# Altium PCB DDR3_Example.PcbDoc (part 6 of 6)
Units mm, origin at the board's own origin, x right, y up, seen from the top; angles counter-clockwise.
Board outline 133.38 x 30.03 mm, 6 copper layers (TOP, SPLIT1_L2, IN1_L3, IN2_L4, SPLIT2_L5, BOTTOM), stack 1.246 mm thick; 131 components, 227 nets, 1523 pads, 910 vias.
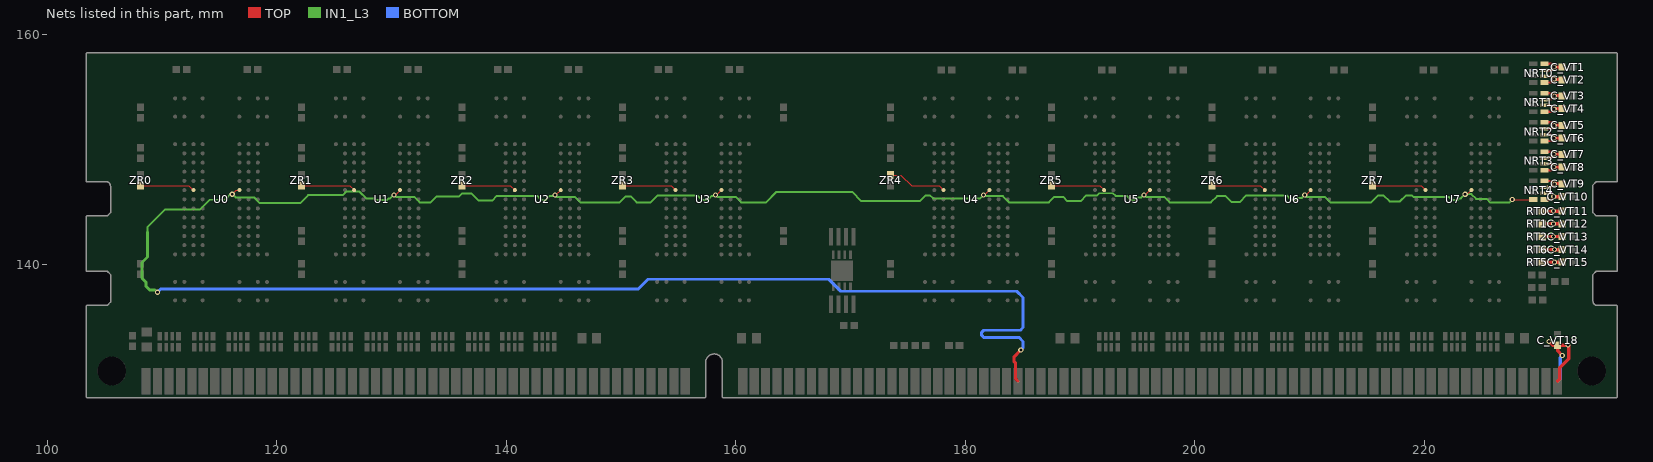
[diagram p10: the nets of this part, all layers, seen from the top]

## Via types
v1: diameter 0.45, hole 0.25, TOP to BOTTOM, 910 vias

## Nets (pads, with @x,y where several pads share a name; then routed paths per layer and width w, separated by ;. In a path a pad name is that pad's centre, name@x,y a point inside that pad or via, vN(x,y) a via of type N, cw(c..) or ccw(c..) an arc to the next point about the centre after c; other vN are vias at no path point) (continued)
VTT: C_VT1.1 C_VT2.1 C_VT3.1 C_VT4.1 C_VT5.1 C_VT6.1 C_VT7.1 C_VT8.1 C_VT9.1 C_VT10.1 C_VT11.1 C_VT12.1 C_VT13.1 C_VT14.1 C_VT15.1 C_VT18.1 NRT0.5 NRT0.6 NRT0.7 NRT0.8 NRT1.5 NRT1.6 NRT1.7 NRT1.8 NRT2.5 NRT2.6 NRT2.7 NRT2.8 NRT3.5 NRT3.6 NRT3.7 NRT3.8 NRT4.5 NRT4.6 NRT4.7 NRT4.8 RT0.2 RT1.2 RT2.2 RT5.2 RT6.2 | length 44.3
  TOP w0.2: NRT4.5@230.459,145.617 231.103,145.617 231.276,145.79 v1(231.276,145.89) 231.276,145.96 231.06,146.176 NRT4.6@230.459,146.176 ; NRT4.7@230.459,146.684 231.04,146.684 v1(231.341,146.985) 231.083,147.243 NRT4.8@230.459,147.243 ; NRT3.5@230.459,148.167 231.013,148.167 v1(231.301,148.455) 231.03,148.726 NRT3.6@230.459,148.726 ; NRT3.7@230.459,149.234 230.97,149.234 v1(231.301,149.565) 231.073,149.793 NRT3.8@230.459,149.793 ; NRT2.5@230.459,150.717 231.033,150.717 v1(231.281,150.965) 230.97,151.276 NRT2.6@230.459,151.276 ; NRT2.7@230.459,151.784 231.025,151.784 v1(231.316,152.075) 231.048,152.343 NRT2.8@230.459,152.343 ; NRT1.5@230.459,153.267 231.058,153.267 v1(231.311,153.52) 231.005,153.826 NRT1.6@230.459,153.826 ; NRT1.7@230.459,154.334 231.04,154.334 231.04,154.359 v1(231.326,154.645) 231.078,154.893 NRT1.8@230.459,154.893 ; NRT0.5@230.459,155.817 231.03,155.817 v1(231.316,156.103) 231.043,156.376 NRT0.6@230.459,156.376 ; NRT0.7@230.459,156.884 230.463,156.88 231.026,156.88 v1(231.316,157.17) 231.043,157.443 NRT0.8@230.459,157.443
  TOP w0.3: RT5.2@230.283,140.159 v1(231.326,140.159) C_VT15.1@232.032,140.159 ; RT6.2@230.283,141.259 v1(231.336,141.259) C_VT14.1@232.032,141.259 ; RT2.2@230.283,142.399 v1(231.266,142.399) C_VT13.1@232.032,142.399 ; RT1.2@230.283,143.509 v1(231.266,143.509) C_VT12.1@232.032,143.509 ; RT0.2@230.283,144.609 v1(231.246,144.609) C_VT11.1@232.032,144.609 ; v1(230.846,133.26) 231.183,132.923 C_VT18.1@231.606,132.923 ; v1(231.276,145.89) 231.286,145.88 C_VT10.1@232.032,145.88 ; v1(231.281,150.965) C_VT6.1@232.032,150.965 ; v1(231.301,148.455) 231.311,148.445 C_VT8.1@232.032,148.445 ; v1(231.301,149.565) 231.311,149.555 C_VT7.1@232.032,149.555 ; v1(231.311,153.52) 231.326,153.535 C_VT4.1@232.032,153.535 ; v1(231.316,152.075) C_VT5.1@232.032,152.075 ; v1(231.316,156.103) 231.984,156.103 C_VT2.1@232.032,156.055 ; v1(231.316,157.17) 231.321,157.165 C_VT1.1@232.032,157.165 ; v1(231.326,154.645) C_VT3.1@232.032,154.645 ; v1(231.341,146.985) 231.346,146.98 C_VT9.1@232.032,146.98 ; 231.601,129.784 231.796,129.979 231.796,130.97 232.581,131.755 232.581,132.881 v1(232.514,132.948) 232.489,132.923 C_VT18.1@231.606,132.923 ; v1(232.019,132.021) 231.606,132.434 C_VT18.1@231.606,132.923
  BOTTOM w0.3: 231.601,129.784 231.837,130.02 231.837,131.839 v1(232.019,132.021)
WE: NRT4.4 U0.H3 U1.H3 U2.H3 U3.H3 U4.H3 U5.H3 U6.H3 U7.H3 | length 235.1
  TOP w0.1: v1(116.122,146.086) 116.479,146.443 U0.H3@116.746,146.443 ; v1(130.226,146.002) 130.305,146.002 U1.H3@130.746,146.443 ; v1(144.236,146.017) 144.239,146.02 144.323,146.02 U2.H3@144.746,146.443 ; v1(158.236,146.03) 158.264,146.002 158.305,146.002 U3.H3@158.746,146.443 ; v1(181.576,146.002) 181.655,146.002 U4.H3@182.096,146.443 ; v1(195.566,146.017) 195.663,146.017 196.089,146.443 U5.H3@196.096,146.443 ; v1(209.576,146.02) 209.576,146.012 209.586,146.002 209.655,146.002 U6.H3@210.096,146.443 ; v1(223.556,146.086) 223.739,146.086 U7.H3@224.096,146.443 ; v1(227.656,145.628) 227.667,145.617 NRT4.4@229.493,145.617
  TOP w0.254: 184.601,129.784 184.386,129.999 184.386,131.358 184.256,131.488 184.256,131.92 v1(184.836,132.5)
  IN1_L3 w0.17: 108.726,142.77 108.726,143.21 110.259,144.743 113.287,144.743 114.144,145.6 115.454,145.6 115.94,146.086 v1(116.122,146.086) 116.408,145.8 118.016,145.8 118.506,145.31 122.046,145.31 122.742,146.006 125.753,146.006 126.067,146.32 127.206,146.32 127.806,145.72 128.506,145.72 128.646,145.58 129.6,145.58 129.72,145.7 129.865,145.7 130.105,145.94 130.164,145.94 v1(130.226,146.002) 130.368,145.86 131.976,145.86 132.456,145.38 133.416,145.38 133.916,145.88 135.876,145.88 136.156,146.16 136.966,146.16 137.596,145.53 138.764,145.53 139.174,145.94 142.704,145.94 143.064,145.58 143.428,145.58 143.788,145.94 144.164,145.94 144.236,146.012 v1(144.236,146.017) 144.393,145.86 145.976,145.86 146.456,145.38 149.876,145.38 150.396,145.9 150.846,145.9 151.366,145.38 152.585,145.38 153.194,145.989 156.655,145.989 157.064,145.58 157.541,145.58 157.891,145.93 158.136,145.93 v1(158.236,146.03) 158.406,145.86 159.976,145.86 160.456,145.38 162.636,145.38 163.546,146.29 170.146,146.29 170.946,145.49 176.045,145.49 176.544,145.989 176.908,145.989 177.185,145.712 180.282,145.712 180.414,145.58 180.84,145.58 180.977,145.717 181.291,145.717 v1(181.576,146.002) 181.668,145.91 183.276,145.91 183.806,145.38 187.276,145.38 187.756,145.86 188.516,145.86 188.886,145.49 190.045,145.49 190.544,145.989 191.475,145.989 191.656,146.17 192.866,146.17 193.093,145.943 194.051,145.943 194.414,145.58 194.778,145.58 194.998,145.8 195.349,145.8 v1(195.566,146.017) 195.723,145.86 197.326,145.86 197.806,145.38 201.396,145.38 201.943,145.927 202.689,145.927 203.216,145.4 203.906,145.4 204.495,145.989 208.005,145.989 208.414,145.58 208.778,145.58 208.958,145.76 209.324,145.76 v1@209.576,146.012 ; v1(209.576,146.02) v1@209.576,146.012 ; v1(227.656,145.628) 227.388,145.36 225.755,145.36 225.438,145.677 224.511,145.677 224.102,146.086 v1(223.556,146.086) 223.186,145.716 223.028,145.716 222.892,145.58 222.414,145.58 222.144,145.85 219.047,145.85 218.908,145.989 218.406,145.989 217.877,145.46 216.966,145.46 216.437,145.989 215.975,145.989 215.366,145.38 211.806,145.38 211.326,145.86 209.746,145.86 209.589,146.017 209.586,146.014 209.586,146.012 209.576,146.002 v1@209.576,146.012
  IN1_L3 w0.254: 108.726,142.77 108.726,140.61 108.256,140.14 108.256,138.767 108.624,138.399 108.624,138.052 108.926,137.75 109.396,137.75 v1(109.606,137.54)
  BOTTOM w0.254: v1(109.606,137.54) 109.876,137.81 151.486,137.81 152.35,138.674 168.092,138.674 169.138,137.628 184.488,137.628 185.036,137.08 185.036,134.47 184.796,134.23 181.606,134.23 181.425,134.049 181.425,133.791 181.631,133.585 184.711,133.585 185.036,133.26 185.036,132.7 v1(184.836,132.5)
ZQ_U0: U0.H8 ZR0.1 | length 4.8
  TOP w0.1: ZR0.1@108.145,146.844 108.145,146.869 108.173,146.841 112.347,146.841 U0.H8@112.745,146.443
ZQ_U1: U1.H8 ZR1.1 | length 4.8
  TOP w0.1: ZR1.1@122.145,146.843 122.147,146.841 126.365,146.841 126.745,146.461 U1.H8@126.745,146.443
ZQ_U2: U2.H8 ZR2.1 | length 4.8
  TOP w0.1: ZR2.1@136.145,146.843 136.147,146.841 140.365,146.841 140.745,146.461 U2.H8@140.745,146.443
ZQ_U3: U3.H8 ZR3.1 | length 4.8
  TOP w0.1: ZR3.1@150.145,146.843 150.147,146.841 154.365,146.841 154.745,146.461 U3.H8@154.745,146.443
ZQ_U4: U4.H8 ZR4.1 | length 5.1
  TOP w0.1: ZR4.1@173.495,147.757 174.389,147.757 175.336,146.81 177.728,146.81 U4.H8@178.095,146.443
ZQ_U5: U5.H8 ZR5.1 | length 4.8
  TOP w0.1: ZR5.1@187.495,146.843 187.497,146.841 191.715,146.841 192.095,146.461 U5.H8@192.095,146.443
ZQ_U6: U6.H8 ZR6.1 | length 4.8
  TOP w0.1: ZR6.1@201.495,146.843 201.497,146.841 205.715,146.841 206.095,146.461 U6.H8@206.095,146.443
ZQ_U7: U7.H8 ZR7.1 | length 4.8
  TOP w0.1: ZR7.1@215.495,146.843 215.497,146.841 219.715,146.841 220.095,146.461 U7.H8@220.095,146.443
pads on no net: "U0. " "U1. " "U2. " "U3. " "U4. " "U5. " "U6. " "U7. " Designator1.1 Designator1.2 Designator1.3 Designator1.4 Designator1.5 Designator1.6 Designator1.7 Designator1.8 Designator1.9 Designator1.10 Designator1.11 Designator1.12 Designator1.13 Designator1.14 Designator1.15 Designator1.16 Designator1.17 Designator1.18 Designator1.19 Designator1.20 Designator1.21 Designator1.22 Designator1.23 Designator1.24 Designator1.25 Designator1.26 Designator1.27 Designator1.28 Designator1.29 Designator1.30 Designator1.31 Designator1.32 Designator1.33 Designator1.34 Designator1.35 Designator1.36 Designator1.37 Designator1.38 Designator1.39 Designator1.40 Designator1.41 Designator1.42 Designator1.43 Designator1.44 Designator1.45 Designator1.46 Designator1.47 Designator1.48 Designator1.49 Designator1.50 Designator1.51 Designator1.52 Designator1.53 Designator1.54 Designator1.55 Designator1.56 Designator1.57 Designator1.58 Designator1.59 Designator1.60 Designator1.61 Designator1.62 Designator1.63 Designator1.64 Designator1.65 Designator1.66 Designator1.67 Designator1.68 Designator1.69 Designator1.70 Designator1.71 Designator1.72 Designator1.73 Designator1.74 Designator1.75 Designator1.76 Designator1.77 Designator1.78 Designator1.79 Designator1.80 Designator1.81 Designator1.82 Designator1.83 Designator1.84 Designator1.85 Designator1.86 Designator1.87 Designator1.88 Designator1.89 Designator1.90 Designator1.91 Designator1.92 Designator1.93 Designator1.94 Designator1.95 Designator1.96 Designator1.97 Designator1.98 Designator1.99 Designator1.100 Designator1.101 Designator1.102 Designator1.103 Designator1.104 Designator1.105 Designator1.106 Designator1.107 Designator1.108 Designator1.109 Designator1.110 Designator1.111 Designator1.112 Designator1.113 Designator1.114 Designator1.115 Designator1.116 Designator1.117 Designator1.118 Designator1.119 Designator1.120 Designator1.121 Designator1.122 Designator1.123 Designator1.124 Designator1.125 Designator1.126 Designator1.127 Designator1.128 Designator1.129 Designator1.130 Designator1.131 Designator1.132 Designator1.133 Designator1.134 Designator1.135 Designator1.136 Designator1.137 Designator1.138 Designator1.139 Designator1.140 Designator1.141 Designator1.142 Designator1.143 Designator1.144 Designator1.145 Designator1.146 Designator1.147 Designator1.148 Designator1.149 Designator1.150 Designator1.151 Designator1.152 Designator1.153 Designator1.154 Designator1.155 Designator1.156 Designator1.157 Designator1.158 Designator1.159 Designator1.160 Designator1.161 Designator1.162 Designator1.163 Designator1.164 Designator1.165 Designator1.166 Designator1.167 Designator1.168 Designator1.169 Designator1.170 Designator1.171 Designator1.172 Designator1.173 Designator1.174 Designator1.175 Designator1.176 Designator1.177 Designator1.178 Designator1.179 Designator1.180 Designator1.181 Designator1.182 Designator1.183 Designator1.184 Designator1.185 Designator1.186 Designator1.187 Designator1.188 Designator1.189 Designator1.190 Designator1.191 Designator1.192 Designator1.193 Designator1.194 Designator1.195 Designator1.196 Designator1.197 Designator1.198 Designator1.199 Designator1.200 Designator1.201 Designator1.202 Designator1.203 Designator1.204 Designator1.205 Designator1.206 Designator1.207 Designator1.208 Designator1.209 Designator1.210 Designator1.211 Designator1.212 Designator1.213 Designator1.214 Designator1.215 Designator1.216 Designator1.217 Designator1.218 Designator1.219 Designator1.220 Designator1.221 Designator1.222 Designator1.223 Designator1.224 Designator1.225 Designator1.226 Designator1.227 Designator1.228 Designator1.229 Designator1.230 Designator1.231 Designator1.232 Designator1.233 Designator1.234 Designator1.235 Designator1.236 Designator1.237 Designator1.238 Designator1.239 Designator1.240 R17.2 R17.7 R18.2 R18.7 R19.2 R19.7 R20.2 R20.7 R21.2 R21.7 R22.2 R22.7 R23.2 R23.7 R24.2 R24.7 U0.A3 U0.A7 U0.F1 U0.F9 U0.H1 U0.H9 U1.A3 U1.A7 U1.F1 U1.F9 U1.H1 U1.H9 U2.A3 U2.A7 U2.F1 U2.F9 U2.H1 U2.H9 U3.A3 U3.A7 U3.F1 U3.F9 U3.H1 U3.H9 U4.A3 U4.A7 U4.F1 U4.F9 U4.H1 U4.H9 U5.A3 U5.A7 U5.F1 U5.F9 U5.H1 U5.H9 U6.A3 U6.A7 U6.F1 U6.F9 U6.H1 U6.H9 U7.A3 U7.A7 U7.F1 U7.F9 U7.H1 U7.H9

## Polygon pours and split planes (outlines as drawn)
VTT on IN2_L4 "IN2_L4-VTT" (solid, pour order 2): 86 vertices, not listed, extent 230.116,132.52 236.276,157.88
VSS on IN2_L4 "IN2_L4-VSS" (solid, pour order 14): 726 vertices, not listed, extent 103.946,147.7 225.786,157.875
VTT on IN1_L3 "IN1_L3-VTT" (solid, pour order 4): 89 vertices, not listed, extent 230.116,132.52 236.276,157.88
VSS on IN1_L3 "IN1_L3-VSS" (solid, pour order 12): 688 vertices, not listed, extent 103.946,147.7 225.786,157.875
VSS on TOP "TOP-VSS" (solid, pour order 6): 496 vertices, not listed, extent 145.016,131.4 164.524,142.492
VSS on TOP "TOP-VSS 1" (solid, pour order 16): 4924 vertices, not listed, extent 186.908,136.484 216.512,153.478
VSS on TOP "TOP-VSS 2" (solid, pour order 18): 2561 vertices, not listed, extent 173.068,134.22 188.274,149.635
VSS on TOP "TOP-VSS 3" (solid, pour order 20): 4819 vertices, not listed, extent 135.288,136.352 161.524,153.528
VSS on TOP "TOP-VSS 4" (solid, pour order 22): 5246 vertices, not listed, extent 173.068,136.484 202.704,153.518
VSS on TOP "TOP-VSS 5" (solid, pour order 24): 5001 vertices, not listed, extent 200.538,136.484 228.353,153.468
VSS on TOP "TOP-VSS 6" (solid, pour order 26): 4632 vertices, not listed, extent 121.558,136.352 150.824,153.438
VSS on TOP "TOP-VSS 7" (solid, pour order 28): 4375 vertices, not listed, extent 109.507,136.352 136.734,153.488
VSS on TOP "TOP-VSS 8" (solid, pour order 30): 8855 vertices, not listed, extent 103.926,132.29 236.276,157.88
VSS on TOP "TOP-VSS 9" (solid, pour order 32): 2696 vertices, not listed, extent 149.238,135.135 172.264,155.448
VSS on SPLIT2_L5 "SPLIT2_L5-VSS" (solid, pour order 8): 1054 vertices, not listed, extent 190.303,128.884 225.969,132.163
VSS on SPLIT2_L5 "SPLIT2_L5-VSS 1" (solid, pour order 10): 1833 vertices, not listed, extent 108.133,128.884 144.899,132.113
VDD on SPLIT2_L5 "SPLIT2_L5-VDD" (solid, pour order 40): 513 vertices, not listed, extent 103.93,128.884 236.272,157.876
VSS on BOTTOM "BOTTOM-VSS" (solid, pour order 34): 2872 vertices, not listed, extent 103.926,131.29 236.276,157.88
VSS on SPLIT1_L2 "SPLIT1_L2-VSS" (solid, pour order 36): 4322 vertices, not listed, extent 103.93,128.884 231.161,143.985
VDD on SPLIT1_L2 "SPLIT1_L2-VDD" (solid, pour order 38): 1168 vertices, not listed, extent 103.93,128.884 236.272,157.876
no net on TITLE_DATA (solid): 61 vertices, not listed, extent 185.493,81.462 191.524,88.968
no net on TITLE_DATA (solid): 61 vertices, not listed, extent 192.486,78.458 198.517,85.963
no net on TITLE_DATA (solid): 62 vertices, not listed, extent 199.493,81.462 205.524,86.021
no net on TITLE_DATA (solid): 206.503,85.996 206.503,81.462 208.006,81.462 208.006,85.996 206.503,85.996
no net on TITLE_DATA (solid): 206.516,87.159 206.516,88.962 208.006,88.962 208.006,87.159 206.516,87.159
no net on TITLE_DATA (solid): 20 vertices, not listed, extent 209.003,81.461 215,85.965
no net on TITLE_DATA (solid): 214.251,85.974 215.009,85.974 209.746,81.475 209.008,81.475 214.251,85.974
no net on TITLE_DATA (solid): 61 vertices, not listed, extent 185.493,81.462 191.524,88.968
no net on TITLE_DATA (solid): 61 vertices, not listed, extent 192.486,78.458 198.517,85.963
no net on TITLE_DATA (solid): 62 vertices, not listed, extent 199.493,81.462 205.524,86.021
no net on TITLE_DATA (solid): 206.503,85.996 206.503,81.462 208.006,81.462 208.006,85.996 206.503,85.996
no net on TITLE_DATA (solid): 206.516,87.159 206.516,88.962 208.006,88.962 208.006,87.159 206.516,87.159
no net on TITLE_DATA (solid): 20 vertices, not listed, extent 209.003,81.461 215,85.965
no net on TITLE_DATA (solid): 214.251,85.974 215.009,85.974 209.746,81.475 209.008,81.475 214.251,85.974

## Keep-outs
TOP:
  lines w0.2: 102.726,144.02 110.886,144.02 111.066,144.2 114.026,144.2 114.196,144.03 118.486,144.03 118.676,144.22 127.876,144.22 128.106,143.99 138.786,143.99 139.016,144.22 141.866,144.22 142.096,143.99 148.696,143.99 148.956,144.25 155.826,144.25 156.076,144 164.746,144 164.946,143.8 164.946,133.88 164.466,133.4 162.096,133.4 161.326,132.63 161.326,130.84 161.556,130.61 185.736,130.61 186.026,130.9 186.026,132.3 185.686,132.64 176.616,132.64 176.166,133.09 176.166,143.6 176.796,144.23 179.016,144.23 179.206,144.04 180.456,144.04 180.486,144.01 189.516,144.01 189.746,144.24 193.116,144.24 193.396,143.96 204.506,143.96 204.806,144.26 207.206,144.26 207.476,143.99 218.336,143.99 218.566,144.22 221.216,144.22 221.376,144.06 225.246,144.06 225.516,144.33 226.566,144.33 227.066,143.83 227.066,140.08 227.926,139.22 227.926,137.87 ; 227.926,138.3 227.926,137.87 ; 229.966,127.38 229.966,137.14 229.686,137.42 228.376,137.42 227.926,137.87
SPLIT1_L2:
  lines w0.25: 102.416,136.26 109.456,136.26 109.666,136.47 109.666,142.95 110.706,143.99 113.496,143.99 113.986,143.5 115.116,143.5 115.686,144.07 127.486,144.07 128.026,143.53 129.416,143.53 129.966,144.08 141.436,144.08 142.026,143.49 143.196,143.49 143.736,144.03 155.416,144.03 155.996,143.45 156.846,143.45 157.136,143.74 158.266,143.74 158.526,144 164.126,144 164.426,143.7 164.426,142.66 164.166,142.4 162.926,142.4 162.596,142.07 162.596,137.13 162.616,137.11 162.586,137.06 161.036,135.44 161.036,130.25 161.446,129.84 186.236,129.84 186.606,130.21 186.606,134.18 186.386,134.4 181.966,134.4 177.886,138.48 173.616,138.48 173.256,138.84 173.256,143.76 173.606,144.11 178.786,144.11 179.366,143.53 181.106,143.53 181.576,144 192.736,144 193.206,143.53 195.016,143.53 195.456,143.97 206.826,143.97 207.306,143.49 208.956,143.49 209.436,143.97 220.826,143.97 221.326,143.47 222.846,143.47 223.416,144.04 226.716,144.04 227.766,142.99 227.766,139.89 227.906,139.75 227.906,138.28 228.776,137.41 229.686,137.41 230.386,136.71 230.386,132.96 231.286,132.06 231.286,127.23
SPLIT2_L5:
  lines w0.254: 108.006,127.33 108.006,131.64 108.606,132.24 144.706,132.24 ; 144.396,132.24 144.716,132.24 145.026,131.93 145.026,127.53 ; 190.176,127.75 190.176,131.75 190.716,132.29 225.806,132.29 226.096,132 226.096,127.71
Multi-Layer:
  circle w0.025: c105.626,130.68 r1.428
  circle w0.025: c234.576,130.68 r1.428
  circle w0.025: c105.626,130.68 r1.428
  circle w0.025: c234.576,130.68 r1.428

## Other copper
TOP:
  drawing of 89 lines, arcs and shapes, not listed
  text "JEDC 0.71 CKY" at 235.376,157.72 h0.79 r270
  text "94V-0" at 105.316,151.03 h0.79 r90
  text "1" at 107.346,129.42 h0.6
  text "120" at 233.066,128.92 h0.6 r90
SPLIT1_L2:
  drawing of 582 lines, arcs and shapes, not listed
IN1_L3:
  pour cut-out: 234.076,157.165 234.049,157.301 233.972,157.416 233.857,157.493 233.721,157.52 233.585,157.493 233.47,157.416 233.393,157.301 233.366,157.165 233.393,157.029 233.47,156.914 233.585,156.837 233.721,156.81 233.857,156.837 233.972,156.914 234.049,157.029 234.076,157.165
  pour cut-out: 234.126,156.055 234.099,156.191 234.022,156.306 233.907,156.383 233.771,156.41 233.635,156.383 233.52,156.306 233.443,156.191 233.416,156.055 233.443,155.919 233.52,155.804 233.635,155.727 233.771,155.7 233.907,155.727 234.022,155.804 234.099,155.919 234.126,156.055
  pour cut-out: 234.026,154.645 233.999,154.781 233.922,154.896 233.807,154.973 233.671,155 233.535,154.973 233.42,154.896 233.343,154.781 233.316,154.645 233.343,154.509 233.42,154.394 233.535,154.317 233.671,154.29 233.807,154.317 233.922,154.394 233.999,154.509 234.026,154.645
  pour cut-out: 234.026,153.535 233.999,153.671 233.922,153.786 233.807,153.863 233.671,153.89 233.535,153.863 233.42,153.786 233.343,153.671 233.316,153.535 233.343,153.399 233.42,153.284 233.535,153.207 233.671,153.18 233.807,153.207 233.922,153.284 233.999,153.399 234.026,153.535
  pour cut-out: 234.046,152.075 234.019,152.211 233.942,152.326 233.827,152.403 233.691,152.43 233.555,152.403 233.44,152.326 233.363,152.211 233.336,152.075 233.363,151.939 233.44,151.824 233.555,151.747 233.691,151.72 233.827,151.747 233.942,151.824 234.019,151.939 234.046,152.075
  pour cut-out: 234.066,150.965 234.039,151.101 233.962,151.216 233.847,151.293 233.711,151.32 233.575,151.293 233.46,151.216 233.383,151.101 233.356,150.965 233.383,150.829 233.46,150.714 233.575,150.637 233.711,150.61 233.847,150.637 233.962,150.714 234.039,150.829 234.066,150.965
  pour cut-out: 234.086,149.555 234.059,149.691 233.982,149.806 233.867,149.883 233.731,149.91 233.595,149.883 233.48,149.806 233.403,149.691 233.376,149.555 233.403,149.419 233.48,149.304 233.595,149.227 233.731,149.2 233.867,149.227 233.982,149.304 234.059,149.419 234.086,149.555
  pour cut-out: 234.081,148.445 234.054,148.581 233.977,148.696 233.862,148.773 233.726,148.8 233.59,148.773 233.475,148.696 233.398,148.581 233.371,148.445 233.398,148.309 233.475,148.194 233.59,148.117 233.726,148.09 233.862,148.117 233.977,148.194 234.054,148.309 234.081,148.445
  pour cut-out: 233.991,146.985 233.964,147.121 233.887,147.236 233.772,147.313 233.636,147.34 233.5,147.313 233.385,147.236 233.308,147.121 233.281,146.985 233.308,146.849 233.385,146.734 233.5,146.657 233.636,146.63 233.772,146.657 233.887,146.734 233.964,146.849 233.991,146.985
  pour cut-out: 234.026,145.875 233.999,146.011 233.922,146.126 233.807,146.203 233.671,146.23 233.535,146.203 233.42,146.126 233.343,146.011 233.316,145.875 233.343,145.739 233.42,145.624 233.535,145.547 233.671,145.52 233.807,145.547 233.922,145.624 233.999,145.739 234.026,145.875
  pour cut-out: 234.071,144.609 234.044,144.745 233.967,144.86 233.852,144.937 233.716,144.964 233.58,144.937 233.465,144.86 233.388,144.745 233.361,144.609 233.388,144.473 233.465,144.358 233.58,144.281 233.716,144.254 233.852,144.281 233.967,144.358 234.044,144.473 234.071,144.609
  pour cut-out: 234.051,143.509 234.024,143.645 233.947,143.76 233.832,143.837 233.696,143.864 233.56,143.837 233.445,143.76 233.368,143.645 233.341,143.509 233.368,143.373 233.445,143.258 233.56,143.181 233.696,143.154 233.832,143.181 233.947,143.258 234.024,143.373 234.051,143.509
  pour cut-out: 234.131,142.399 234.104,142.535 234.027,142.65 233.912,142.727 233.776,142.754 233.64,142.727 233.525,142.65 233.448,142.535 233.421,142.399 233.448,142.263 233.525,142.148 233.64,142.071 233.776,142.044 233.912,142.071 234.027,142.148 234.104,142.263 234.131,142.399
  pour cut-out: 234.141,141.259 234.114,141.395 234.037,141.51 233.922,141.587 233.786,141.614 233.65,141.587 233.535,141.51 233.458,141.395 233.431,141.259 233.458,141.123 233.535,141.008 233.65,140.931 233.786,140.904 233.922,140.931 234.037,141.008 234.114,141.123 234.141,141.259
  pour cut-out: 234.121,140.159 234.094,140.295 234.017,140.41 233.902,140.487 233.766,140.514 233.63,140.487 233.515,140.41 233.438,140.295 233.411,140.159 233.438,140.023 233.515,139.908 233.63,139.831 233.766,139.804 233.902,139.831 234.017,139.908 234.094,140.023 234.121,140.159
  pour cut-out: 233.431,138.459 233.404,138.595 233.327,138.71 233.212,138.787 233.076,138.814 232.94,138.787 232.825,138.71 232.748,138.595 232.721,138.459 232.748,138.323 232.825,138.208 232.94,138.131 233.076,138.104 233.212,138.131 233.327,138.208 233.404,138.323 233.431,138.459
  pour cut-out: 231.521,137.179 231.494,137.315 231.417,137.43 231.302,137.507 231.166,137.534 231.03,137.507 230.915,137.43 230.838,137.315 230.811,137.179 230.838,137.043 230.915,136.928 231.03,136.851 231.166,136.824 231.302,136.851 231.417,136.928 231.494,137.043 231.521,137.179
  pour cut-out: 232.901,133.812 232.874,133.948 232.797,134.063 232.682,134.14 232.546,134.167 232.41,134.14 232.295,134.063 232.218,133.948 232.191,133.812 232.218,133.676 232.295,133.561 232.41,133.484 232.546,133.457 232.682,133.484 232.797,133.561 232.874,133.676 232.901,133.812
  pour cut-out: 193.991,156.947 193.964,157.083 193.887,157.198 193.772,157.275 193.636,157.302 193.5,157.275 193.385,157.198 193.308,157.083 193.281,156.947 193.308,156.811 193.385,156.696 193.5,156.619 193.636,156.592 193.772,156.619 193.887,156.696 193.964,156.811 193.991,156.947
  pour cut-out: 186.201,156.947 186.174,157.083 186.097,157.198 185.982,157.275 185.846,157.302 185.71,157.275 185.595,157.198 185.518,157.083 185.491,156.947 185.518,156.811 185.595,156.696 185.71,156.619 185.846,156.592 185.982,156.619 186.097,156.696 186.174,156.811 186.201,156.947
  pour cut-out: 179.981,156.944 179.954,157.08 179.877,157.195 179.762,157.272 179.626,157.299 179.49,157.272 179.375,157.195 179.298,157.08 179.271,156.944 179.298,156.808 179.375,156.693 179.49,156.616 179.626,156.589 179.762,156.616 179.877,156.693 179.954,156.808 179.981,156.944
  pour cut-out: 221.981,156.92 221.954,157.056 221.877,157.171 221.762,157.248 221.626,157.275 221.49,157.248 221.375,157.171 221.298,157.056 221.271,156.92 221.298,156.784 221.375,156.669 221.49,156.592 221.626,156.565 221.762,156.592 221.877,156.669 221.954,156.784 221.981,156.92
  pour cut-out: 214.131,156.91 214.104,157.046 214.027,157.161 213.912,157.238 213.776,157.265 213.64,157.238 213.525,157.161 213.448,157.046 213.421,156.91 213.448,156.774 213.525,156.659 213.64,156.582 213.776,156.555 213.912,156.582 214.027,156.659 214.104,156.774 214.131,156.91
  pour cut-out: 207.971,156.91 207.944,157.046 207.867,157.161 207.752,157.238 207.616,157.265 207.48,157.238 207.365,157.161 207.288,157.046 207.261,156.91 207.288,156.774 207.365,156.659 207.48,156.582 207.616,156.555 207.752,156.582 207.867,156.659 207.944,156.774 207.971,156.91
  pour cut-out: 200.131,156.91 200.104,157.046 200.027,157.161 199.912,157.238 199.776,157.265 199.64,157.238 199.525,157.161 199.448,157.046 199.421,156.91 199.448,156.774 199.525,156.659 199.64,156.582 199.776,156.555 199.912,156.582 200.027,156.659 200.104,156.774 200.131,156.91
IN2_L4:
  pour cut-out: 234.076,157.165 234.049,157.301 233.972,157.416 233.857,157.493 233.721,157.52 233.585,157.493 233.47,157.416 233.393,157.301 233.366,157.165 233.393,157.029 233.47,156.914 233.585,156.837 233.721,156.81 233.857,156.837 233.972,156.914 234.049,157.029 234.076,157.165
  pour cut-out: 234.126,156.055 234.099,156.191 234.022,156.306 233.907,156.383 233.771,156.41 233.635,156.383 233.52,156.306 233.443,156.191 233.416,156.055 233.443,155.919 233.52,155.804 233.635,155.727 233.771,155.7 233.907,155.727 234.022,155.804 234.099,155.919 234.126,156.055
  pour cut-out: 234.026,154.645 233.999,154.781 233.922,154.896 233.807,154.973 233.671,155 233.535,154.973 233.42,154.896 233.343,154.781 233.316,154.645 233.343,154.509 233.42,154.394 233.535,154.317 233.671,154.29 233.807,154.317 233.922,154.394 233.999,154.509 234.026,154.645
  pour cut-out: 234.026,153.535 233.999,153.671 233.922,153.786 233.807,153.863 233.671,153.89 233.535,153.863 233.42,153.786 233.343,153.671 233.316,153.535 233.343,153.399 233.42,153.284 233.535,153.207 233.671,153.18 233.807,153.207 233.922,153.284 233.999,153.399 234.026,153.535
  pour cut-out: 234.046,152.075 234.019,152.211 233.942,152.326 233.827,152.403 233.691,152.43 233.555,152.403 233.44,152.326 233.363,152.211 233.336,152.075 233.363,151.939 233.44,151.824 233.555,151.747 233.691,151.72 233.827,151.747 233.942,151.824 234.019,151.939 234.046,152.075
  pour cut-out: 234.066,150.965 234.039,151.101 233.962,151.216 233.847,151.293 233.711,151.32 233.575,151.293 233.46,151.216 233.383,151.101 233.356,150.965 233.383,150.829 233.46,150.714 233.575,150.637 233.711,150.61 233.847,150.637 233.962,150.714 234.039,150.829 234.066,150.965
  pour cut-out: 234.086,149.555 234.059,149.691 233.982,149.806 233.867,149.883 233.731,149.91 233.595,149.883 233.48,149.806 233.403,149.691 233.376,149.555 233.403,149.419 233.48,149.304 233.595,149.227 233.731,149.2 233.867,149.227 233.982,149.304 234.059,149.419 234.086,149.555
  pour cut-out: 234.081,148.445 234.054,148.581 233.977,148.696 233.862,148.773 233.726,148.8 233.59,148.773 233.475,148.696 233.398,148.581 233.371,148.445 233.398,148.309 233.475,148.194 233.59,148.117 233.726,148.09 233.862,148.117 233.977,148.194 234.054,148.309 234.081,148.445
  pour cut-out: 233.991,146.985 233.964,147.121 233.887,147.236 233.772,147.313 233.636,147.34 233.5,147.313 233.385,147.236 233.308,147.121 233.281,146.985 233.308,146.849 233.385,146.734 233.5,146.657 233.636,146.63 233.772,146.657 233.887,146.734 233.964,146.849 233.991,146.985
  pour cut-out: 234.026,145.875 233.999,146.011 233.922,146.126 233.807,146.203 233.671,146.23 233.535,146.203 233.42,146.126 233.343,146.011 233.316,145.875 233.343,145.739 233.42,145.624 233.535,145.547 233.671,145.52 233.807,145.547 233.922,145.624 233.999,145.739 234.026,145.875
  pour cut-out: 234.071,144.609 234.044,144.745 233.967,144.86 233.852,144.937 233.716,144.964 233.58,144.937 233.465,144.86 233.388,144.745 233.361,144.609 233.388,144.473 233.465,144.358 233.58,144.281 233.716,144.254 233.852,144.281 233.967,144.358 234.044,144.473 234.071,144.609
  pour cut-out: 234.051,143.509 234.024,143.645 233.947,143.76 233.832,143.837 233.696,143.864 233.56,143.837 233.445,143.76 233.368,143.645 233.341,143.509 233.368,143.373 233.445,143.258 233.56,143.181 233.696,143.154 233.832,143.181 233.947,143.258 234.024,143.373 234.051,143.509
  pour cut-out: 234.131,142.399 234.104,142.535 234.027,142.65 233.912,142.727 233.776,142.754 233.64,142.727 233.525,142.65 233.448,142.535 233.421,142.399 233.448,142.263 233.525,142.148 233.64,142.071 233.776,142.044 233.912,142.071 234.027,142.148 234.104,142.263 234.131,142.399
  pour cut-out: 234.141,141.259 234.114,141.395 234.037,141.51 233.922,141.587 233.786,141.614 233.65,141.587 233.535,141.51 233.458,141.395 233.431,141.259 233.458,141.123 233.535,141.008 233.65,140.931 233.786,140.904 233.922,140.931 234.037,141.008 234.114,141.123 234.141,141.259
  pour cut-out: 234.121,140.159 234.094,140.295 234.017,140.41 233.902,140.487 233.766,140.514 233.63,140.487 233.515,140.41 233.438,140.295 233.411,140.159 233.438,140.023 233.515,139.908 233.63,139.831 233.766,139.804 233.902,139.831 234.017,139.908 234.094,140.023 234.121,140.159
  pour cut-out: 233.431,138.459 233.404,138.595 233.327,138.71 233.212,138.787 233.076,138.814 232.94,138.787 232.825,138.71 232.748,138.595 232.721,138.459 232.748,138.323 232.825,138.208 232.94,138.131 233.076,138.104 233.212,138.131 233.327,138.208 233.404,138.323 233.431,138.459
  pour cut-out: 231.521,137.179 231.494,137.315 231.417,137.43 231.302,137.507 231.166,137.534 231.03,137.507 230.915,137.43 230.838,137.315 230.811,137.179 230.838,137.043 230.915,136.928 231.03,136.851 231.166,136.824 231.302,136.851 231.417,136.928 231.494,137.043 231.521,137.179
  pour cut-out: 232.901,133.812 232.874,133.948 232.797,134.063 232.682,134.14 232.546,134.167 232.41,134.14 232.295,134.063 232.218,133.948 232.191,133.812 232.218,133.676 232.295,133.561 232.41,133.484 232.546,133.457 232.682,133.484 232.797,133.561 232.874,133.676 232.901,133.812
  pour cut-out: 193.991,156.947 193.964,157.083 193.887,157.198 193.772,157.275 193.636,157.302 193.5,157.275 193.385,157.198 193.308,157.083 193.281,156.947 193.308,156.811 193.385,156.696 193.5,156.619 193.636,156.592 193.772,156.619 193.887,156.696 193.964,156.811 193.991,156.947
  pour cut-out: 186.201,156.947 186.174,157.083 186.097,157.198 185.982,157.275 185.846,157.302 185.71,157.275 185.595,157.198 185.518,157.083 185.491,156.947 185.518,156.811 185.595,156.696 185.71,156.619 185.846,156.592 185.982,156.619 186.097,156.696 186.174,156.811 186.201,156.947
  pour cut-out: 179.981,156.944 179.954,157.08 179.877,157.195 179.762,157.272 179.626,157.299 179.49,157.272 179.375,157.195 179.298,157.08 179.271,156.944 179.298,156.808 179.375,156.693 179.49,156.616 179.626,156.589 179.762,156.616 179.877,156.693 179.954,156.808 179.981,156.944
  pour cut-out: 221.981,156.92 221.954,157.056 221.877,157.171 221.762,157.248 221.626,157.275 221.49,157.248 221.375,157.171 221.298,157.056 221.271,156.92 221.298,156.784 221.375,156.669 221.49,156.592 221.626,156.565 221.762,156.592 221.877,156.669 221.954,156.784 221.981,156.92
  pour cut-out: 214.131,156.91 214.104,157.046 214.027,157.161 213.912,157.238 213.776,157.265 213.64,157.238 213.525,157.161 213.448,157.046 213.421,156.91 213.448,156.774 213.525,156.659 213.64,156.582 213.776,156.555 213.912,156.582 214.027,156.659 214.104,156.774 214.131,156.91
  pour cut-out: 207.971,156.91 207.944,157.046 207.867,157.161 207.752,157.238 207.616,157.265 207.48,157.238 207.365,157.161 207.288,157.046 207.261,156.91 207.288,156.774 207.365,156.659 207.48,156.582 207.616,156.555 207.752,156.582 207.867,156.659 207.944,156.774 207.971,156.91
  pour cut-out: 200.131,156.91 200.104,157.046 200.027,157.161 199.912,157.238 199.776,157.265 199.64,157.238 199.525,157.161 199.448,157.046 199.421,156.91 199.448,156.774 199.525,156.659 199.64,156.582 199.776,156.555 199.912,156.582 200.027,156.659 200.104,156.774 200.131,156.91
SPLIT2_L5:
  drawing of 616 lines, arcs and shapes, not listed
BOTTOM:
  drawing of 510 lines, arcs and shapes, not listed
  text "121" at 107.806,130.42 h0.6 r90
  text "240" at 232.516,128.96 h0.6 r270
Multi-Layer:
  region: 108.101,128.35 232.101,128.35 232.101,131.25 108.101,131.25
  region: 108.101,128.35 232.101,128.35 232.101,131.25 108.101,131.25

## Silkscreen, mask and mechanical layers (free items; w line width, h text height)
Top Overlay:
  text "T*" at 106.569,132.163 h0.64
  text "T*" at 106.569,132.163 h0.64
Top Solder:
  region: 107.966,128.226 232.251,128.226 232.251,131.147 107.966,131.147
  lines w1.622: 102.996,127.95 174.101,127.95 ; 102.996,127.95 102.996,136.81 ; 102.996,127.95 174.101,127.95 ; 102.996,127.95 102.996,136.81 ; 102.996,136.81 104.426,136.81 ; 102.996,136.81 104.426,136.81 ; 102.996,139.95 104.426,139.95 ; 102.996,139.95 102.996,144.61 ; 102.996,139.95 104.426,139.95 ; 102.996,139.95 102.996,144.61 ; 102.996,144.61 104.426,144.61 ; 102.996,144.61 104.426,144.61 ; 102.996,147.75 104.426,147.75 ; 102.996,147.75 102.986,158.86 102.996,147.75 ; 102.996,147.75 104.426,147.75 ; 104.426,136.81 ccw(c104.426,138.38) 104.426,139.95 ; 104.426,136.81 ccw(c104.426,138.38) 104.426,139.95 ; 104.426,144.61 ccw(c104.426,146.18) 104.426,147.75 ; 104.426,144.61 ccw(c104.426,146.18) 104.426,147.75 ; 174.101,127.95 237.206,127.95 ; 174.101,127.95 237.206,127.95 ; 235.776,136.81 cw(c235.776,138.38) 235.776,139.95 ; 235.776,136.81 cw(c235.776,138.38) 235.776,139.95 ; 235.776,136.81 237.206,136.81 ; 235.776,136.81 237.206,136.81 ; 235.776,139.95 237.206,139.95 ; 235.776,139.95 237.206,139.95 ; 235.776,144.61 cw(c235.776,146.18) 235.776,147.75 ; 235.776,144.61 cw(c235.776,146.18) 235.776,147.75 ; 235.776,144.61 237.206,144.61 ; 235.776,144.61 237.206,144.61 ; 235.776,147.75 237.206,147.75 ; 235.776,147.75 237.206,147.75 ; 237.206,127.95 237.206,136.81 ; 237.206,127.95 237.206,136.81 ; 237.206,139.95 237.206,144.61 ; 237.206,139.95 237.206,144.61 ; 237.206,147.75 237.206,158.86 ; 237.206,147.75 237.206,158.86 ; 237.206,158.86 102.906,158.86 237.206,158.86
  lines w2.262: 174.101,128.27 174.101,131.43 174.101,128.27
Bottom Solder:
  region: 107.966,128.226 232.251,128.226 232.251,131.147 107.966,131.147
  lines w1.622: 102.996,127.95 174.101,127.95 ; 102.996,127.95 102.996,136.81 ; 102.996,127.95 174.101,127.95 ; 102.996,127.95 102.996,136.81 ; 102.996,136.81 104.426,136.81 ; 102.996,136.81 104.426,136.81 ; 102.996,139.95 104.426,139.95 ; 102.996,139.95 102.996,144.61 ; 102.996,139.95 104.426,139.95 ; 102.996,139.95 102.996,144.61 ; 102.996,144.61 104.426,144.61 ; 102.996,144.61 104.426,144.61 ; 102.996,147.75 104.426,147.75 ; 102.996,147.75 102.986,158.86 102.996,147.75 ; 102.996,147.75 104.426,147.75 ; 104.426,136.81 ccw(c104.426,138.38) 104.426,139.95 ; 104.426,136.81 ccw(c104.426,138.38) 104.426,139.95 ; 104.426,144.61 ccw(c104.426,146.18) 104.426,147.75 ; 104.426,144.61 ccw(c104.426,146.18) 104.426,147.75 ; 174.101,127.95 237.206,127.95 ; 174.101,127.95 237.206,127.95 ; 235.776,136.81 cw(c235.776,138.38) 235.776,139.95 ; 235.776,136.81 cw(c235.776,138.38) 235.776,139.95 ; 235.776,136.81 237.206,136.81 ; 235.776,136.81 237.206,136.81 ; 235.776,139.95 237.206,139.95 ; 235.776,139.95 237.206,139.95 ; 235.776,144.61 cw(c235.776,146.18) 235.776,147.75 ; 235.776,144.61 cw(c235.776,146.18) 235.776,147.75 ; 235.776,144.61 237.206,144.61 ; 235.776,144.61 237.206,144.61 ; 235.776,147.75 237.206,147.75 ; 235.776,147.75 237.206,147.75 ; 237.206,127.95 237.206,136.81 ; 237.206,127.95 237.206,136.81 ; 237.206,139.95 237.206,144.61 ; 237.206,139.95 237.206,144.61 ; 237.206,147.75 237.206,158.86 ; 237.206,147.75 237.206,158.86 ; 237.206,158.86 102.906,158.86 237.206,158.86
  lines w2.262: 174.101,128.27 174.101,131.43 174.101,128.27
Mechanical 1:
  lines w0.025: 112.836,145.04 116.376,145.04 116.496,145.16 116.496,150.95 116.466,150.98 112.836,150.98 112.836,145.04 ; 117.236,147.1 117.266,147.07 118.626,147.07 118.626,150.69 117.286,150.69 117.236,150.64 117.236,147.1 ; 131.236,147.1 131.266,147.07 132.626,147.07 132.626,150.69 131.286,150.69 131.236,150.64 131.236,147.1 ; 145.236,147.1 145.266,147.07 146.626,147.07 146.626,150.69 145.286,150.69 145.236,150.64 145.236,147.1 ; 159.236,147.1 159.266,147.07 160.626,147.07 160.626,150.69 159.286,150.69 159.236,150.64 159.236,147.1 ; 168.236,137.61 168.246,137.6 170.296,137.6 170.336,137.64 170.336,141.26 170.316,141.28 168.236,141.28 168.236,137.61 ; 182.586,147.1 182.616,147.07 183.976,147.07 183.976,150.69 182.636,150.69 182.586,150.64 182.586,147.1 ; 196.586,147.1 196.616,147.07 197.976,147.07 197.976,150.69 196.636,150.69 196.586,150.64 196.586,147.1 ; 210.586,147.1 210.616,147.07 211.976,147.07 211.976,150.69 210.636,150.69 210.586,150.64 210.586,147.1 ; 224.586,147.1 224.616,147.07 225.976,147.07 225.976,150.69 224.636,150.69 224.586,150.64 224.586,147.1
NCLEGEND-1-6:
  circle w0.025: c114.871,95.03 r0.5
  circle w0.025: c114.871,102.167 r0.125
  lines w0.025: 103.456,98.599 226.266,98.599 ; 103.456,105.736 226.266,105.736 ; 103.456,112.873 226.266,112.873 ; 103.456,120.01 226.266,120.01 ; 126.286,91.462 126.286,112.873 ; 174.308,91.462 174.308,112.873 ; 206.585,91.462 206.585,112.873 ; 103.456,91.462 226.266,91.462 226.266,126.51 103.456,126.51 103.456,91.462
  text "DRILL CHART: TOP to BOTTOM" at 131.841,121.748 h3.17
  text "ALL UNITS ARE IN MILLIMETERS" at 129.301,115.247 h3.17
  text "FIGURE" at 107.251,108.11 h3.17
  text "SIZE" at 145.217,108.11 h3.17
  text "PLATED" at 182.827,108.11 h3.17
  text "QTY" at 212.616,108.11 h3.17
  text "0.25" at 145.217,100.58 h3.17
  text "PLATED" at 182.827,100.58 h3.17
  text "910" at 212.616,100.58 h3.17
  text "2.5" at 146.487,93.443 h3.17
  text "NON-PLATED" at 177.747,93.443 h3.17
  text "2" at 215.156,93.443 h3.17
OUTLINE:
  lines w0.025: 157.351,131.43 157.351,128.38 103.426,128.38 103.426,136.38 105.226,136.38 ccw(c105.218,136.688) 105.526,136.68 105.526,139.08 ccw(c105.226,139.08) 105.226,139.38 103.426,139.38 103.426,144.18 105.226,144.18 ccw(c105.199,144.507) 105.526,144.48 105.526,146.78 ccw(c105.12,146.788) 105.226,147.18 103.426,147.18 103.426,158.38 236.776,158.38 236.776,147.18 234.976,147.18 ccw(c235.003,146.853) 234.676,146.88 234.676,144.48 ; 157.351,131.43 cw(c158.147,131.384) 158.101,132.18 ; 158.101,132.18 cw(c158.1,131.421) 158.851,131.53 158.851,128.38 236.776,128.38 236.776,136.38 234.976,136.38 ; 234.676,144.48 ccw(c235.032,144.536) 234.976,144.18 ; 234.976,144.18 235.048,144.178 236.776,144.18 236.776,139.38 234.976,139.38 ccw(c235.047,139.009) 234.676,139.08 234.676,136.78 ccw(c235.099,136.785) 234.976,136.38 ; 77.39,65.948 260.54,65.948 ; 77.39,65.948 77.39,175.918 ; 77.39,65.948 260.54,65.948 ; 77.39,65.948 77.39,175.918 ; 77.39,175.918 260.54,175.918 ; 77.39,175.918 260.54,175.918 ; 81.43,70.248 256.19,70.248 ; 81.43,70.248 81.43,171.978 ; 81.43,70.248 256.19,70.248 ; 81.43,70.248 81.43,171.978 ; 81.43,171.978 256.19,171.978 ; 81.43,171.978 256.19,171.978 ; 183.3,161.458 183.3,171.968 183.3,161.458 ; 183.3,161.458 256.3,161.458 183.3,161.458 ; 256.08,73.548 217.09,73.548 256.08,73.548 ; 256.08,73.548 256.09,73.558 256.08,73.548 ; 256.08,77.048 183.09,77.048 256.08,77.048 ; 256.08,77.048 256.09,77.058 256.08,77.048 ; 256.08,80.548 217.09,80.548 256.08,80.548 ; 256.08,80.548 256.09,80.558 256.08,80.548 ; 256.08,87.548 217.09,87.548 256.08,87.548 ; 256.08,87.548 256.09,87.558 256.08,87.548 ; 256.08,91.048 183.09,91.048 256.08,91.048 ; 256.08,91.048 256.09,91.058 256.08,91.048 ; 256.19,70.248 256.19,171.978 ; 256.19,70.248 256.19,171.978 ; 260.54,65.948 260.54,175.918 ; 260.54,65.948 260.54,175.918 ; 183.09,70.328 183.09,91.058 183.09,70.328 ; 183.3,164.958 256.3,164.958 183.3,164.958 ; 183.3,168.458 256.3,168.458 183.3,168.458 ; 196.3,161.458 196.3,171.968 196.3,161.458 ; 217.09,70.328 217.09,91.058 217.09,70.328 ; 230.09,70.328 230.09,91.058 230.09,70.328 ; 243.3,161.798 243.3,172.028 243.3,161.798
  text "DWG NO." at 184.73,169.878 h1.27
  text "DWG NO." at 184.73,169.878 h1.27
  text "DATE." at 246.88,169.878 h1.27
  text "DATE." at 246.88,169.878 h1.27
  text "DESCRIPTION" at 212.41,169.828 h1.27
  text "DESCRIPTION" at 212.41,169.828 h1.27
  text "0.71" at 184.73,166.378 h1.27
  text "0.71" at 184.73,166.378 h1.27
  text "INITIAL RELEASE" at 197.69,166.278 h1.27
  text "INITIAL RELEASE" at 197.69,166.278 h1.27
  text "PART NO." at 217.87,88.678 h1.27
  text "PART NO." at 217.87,88.678 h1.27
  text "DDR3 x8 1RANK" at 232.24,84.598 h1.27
  text "DIMM TYPE" at 217.87,83.398 h1.27
  text "DIMM TYPE" at 217.87,83.398 h1.27
  text "NON-ECC" at 232.34,82.248 h1.27
  text "DESIGNER" at 218.02,78.208 h1.27
  text "DESIGNER" at 218.02,78.208 h1.27
  text "KYU YONG.CHOI" at 230.94,78.148 h1.27
  text "THIS DOCUMENT IS THE PROPERTY OF HYNIX" at 183.84,75.848 h0.79
  text "THIS DOCUMENT IS THE PROPERTY OF HYNIX" at 183.84,75.848 h0.79
  text "IT'S USE IS AUTHORIZED ONLY FOR RESPONDING" at 183.84,74.857 h0.79
  text "IT'S USE IS AUTHORIZED ONLY FOR RESPONDING" at 183.84,74.857 h0.79
  text "CHECKED" at 218.08,74.598 h1.27
  text "CHECKED" at 218.08,74.598 h1.27
  text "TO A REQUEST FOR QUOTATION OR FOR THE PER-" at 183.79,73.718 h0.79
  text "TO A REQUEST FOR QUOTATION OR FOR THE PER-" at 183.79,73.718 h0.79
  text "FORNANCE OF WORK FOR HYNIX. ALL QUESITIONS" at 183.79,72.727 h0.79
  text "FORNANCE OF WORK FOR HYNIX. ALL QUESITIONS" at 183.79,72.727 h0.79
  text "MUST BE REFERRED TO THE HYNIX MODULE DEV-" at 183.79,71.737 h0.79
  text "MUST BE REFERRED TO THE HYNIX MODULE DEV-" at 183.79,71.737 h0.79
  text "APPROVED" at 217.92,71.408 h1.27
  text "APPROVED" at 217.92,71.408 h1.27
  text "ELOPMENT TEAM" at 183.79,70.746 h0.79
  text "ELOPMENT TEAM" at 183.79,70.746 h0.79
DRAWING_ORIGIN:
  lines w0.025: 103.226,128.38 103.626,128.38 ; 103.426,128.18 103.426,128.58
DWG_COMMON_ALL:
  circle w0.025: c234.576,130.68 r1.25
  circle w0.025: c105.626,130.68 r1.25
  circle w0.025: c234.576,130.68 r1.25
  circle w0.025: c105.626,130.68 r1.25
DWG_OUT_TOP:
  text "A" at 103.067,128.68 h1.4
  text "A" at 103.067,128.68 h1.4
  text "A" at 236.067,128.68 h1.4
  text "A" at 236.067,128.68 h1.4
DWG_RC_TOP:
  text "A" at 103.067,128.68 h1.4
  text "A" at 103.067,128.68 h1.4
  text "A" at 236.067,128.68 h1.4
  text "A" at 236.067,128.68 h1.4
PIN_NUMBER:
  text "1" at 104.976,156.53 h0.5
  text "1" at 234.926,134.03 h0.5
ASSEMBLY_TOP:
  text "*" at 105.376,156.53 h0.5
  text "*" at 235.326,134.03 h0.5
PLACE_BOUND_TOP:
  region: 234.326,133.03 236.326,133.03 236.326,135.03 234.326,135.03
  region: 104.376,155.53 106.376,155.53 106.376,157.53 104.376,157.53
  region: 107.966,128.226 232.251,128.226 232.251,131.147 107.966,131.147
AUTOSILK_BOTTOM:
  text "F" at 105.458,156.348 h1.91

## Text inside footprints (layer, text, board x,y; h text height)
C1: PIN_NUMBER "1" at 107.945,139.115 h0.5 r90; PIN_NUMBER "2" at 107.945,140.029 h0.5 r90
C2: PIN_NUMBER "1" at 111.039,156.947 h0.5; PIN_NUMBER "2" at 111.953,156.947 h0.5
C3: PIN_NUMBER "1" at 117.215,156.947 h0.5; PIN_NUMBER "2" at 118.129,156.947 h0.5
C4: PIN_NUMBER "1" at 121.945,139.115 h0.5 r90; PIN_NUMBER "2" at 121.945,140.029 h0.5 r90
C5: PIN_NUMBER "1" at 125.039,156.947 h0.5; PIN_NUMBER "2" at 125.953,156.947 h0.5
C6: PIN_NUMBER "1" at 131.215,156.947 h0.5; PIN_NUMBER "2" at 132.129,156.947 h0.5
C7: PIN_NUMBER "1" at 135.945,139.115 h0.5 r90; PIN_NUMBER "2" at 135.945,140.029 h0.5 r90
C8: PIN_NUMBER "1" at 139.039,156.947 h0.5; PIN_NUMBER "2" at 139.953,156.947 h0.5
C9: PIN_NUMBER "1" at 145.215,156.947 h0.5; PIN_NUMBER "2" at 146.129,156.947 h0.5
C10: PIN_NUMBER "1" at 149.945,139.115 h0.5 r90; PIN_NUMBER "2" at 149.945,140.029 h0.5 r90
C11: PIN_NUMBER "1" at 153.039,156.947 h0.5; PIN_NUMBER "2" at 153.953,156.947 h0.5
C12: PIN_NUMBER "1" at 159.239,156.947 h0.5; PIN_NUMBER "2" at 160.153,156.947 h0.5
C13: PIN_NUMBER "1" at 173.295,139.115 h0.5 r90; PIN_NUMBER "2" at 173.295,140.029 h0.5 r90
C14: PIN_NUMBER "1" at 177.689,156.918 h0.5; PIN_NUMBER "2" at 178.603,156.918 h0.5
C15: PIN_NUMBER "1" at 183.889,156.918 h0.5; PIN_NUMBER "2" at 184.803,156.918 h0.5
C16: PIN_NUMBER "1" at 187.295,139.115 h0.5 r90; PIN_NUMBER "2" at 187.295,140.029 h0.5 r90
C17: PIN_NUMBER "1" at 191.689,156.918 h0.5; PIN_NUMBER "2" at 192.603,156.918 h0.5
C18: PIN_NUMBER "1" at 197.889,156.918 h0.5; PIN_NUMBER "2" at 198.803,156.918 h0.5
C19: PIN_NUMBER "1" at 201.295,139.115 h0.5 r90; PIN_NUMBER "2" at 201.295,140.029 h0.5 r90
C20: PIN_NUMBER "1" at 205.689,156.918 h0.5; PIN_NUMBER "2" at 206.603,156.918 h0.5
C21: PIN_NUMBER "1" at 211.889,156.918 h0.5; PIN_NUMBER "2" at 212.803,156.918 h0.5
C22: PIN_NUMBER "1" at 215.295,139.115 h0.5 r90; PIN_NUMBER "2" at 215.295,140.029 h0.5 r90
C23: PIN_NUMBER "1" at 219.689,156.918 h0.5; PIN_NUMBER "2" at 220.603,156.918 h0.5
C24: PIN_NUMBER "1" at 225.889,156.918 h0.5; PIN_NUMBER "2" at 226.803,156.918 h0.5
C25: PIN_NUMBER "1" at 107.945,152.74 h0.5 r90; PIN_NUMBER "2" at 107.945,153.654 h0.5 r90
C26: PIN_NUMBER "1" at 121.945,152.74 h0.5 r90; PIN_NUMBER "2" at 121.945,153.654 h0.5 r90
C27: PIN_NUMBER "1" at 135.945,152.74 h0.5 r90; PIN_NUMBER "2" at 135.945,153.654 h0.5 r90
C28: PIN_NUMBER "1" at 149.945,152.74 h0.5 r90; PIN_NUMBER "2" at 149.945,153.654 h0.5 r90
C29: PIN_NUMBER "1" at 163.945,152.74 h0.5 r90; PIN_NUMBER "2" at 163.945,153.654 h0.5 r90
C30: PIN_NUMBER "1" at 173.296,153.654 h0.5 r270; PIN_NUMBER "2" at 173.296,152.74 h0.5 r270
C31: PIN_NUMBER "1" at 187.296,153.654 h0.5 r270; PIN_NUMBER "2" at 187.296,152.74 h0.5 r270
C32: PIN_NUMBER "1" at 201.296,153.654 h0.5 r270; PIN_NUMBER "2" at 201.296,152.74 h0.5 r270
C33: PIN_NUMBER "1" at 215.296,153.654 h0.5 r270; PIN_NUMBER "2" at 215.296,152.74 h0.5 r270
C_CLK0: PIN_NUMBER "2" at 176.363,132.92 h0.5; PIN_NUMBER "1" at 175.449,132.92 h0.5
C_SPD: PIN_NUMBER "1" at 169.194,134.63 h0.5; PIN_NUMBER "2" at 170.108,134.63 h0.5
C_VCA1: PIN_NUMBER "1" at 107.945,149.207 h0.5 r90; PIN_NUMBER "2" at 107.945,150.121 h0.5 r90
C_VCA2: PIN_NUMBER "1" at 135.945,149.207 h0.5 r90; PIN_NUMBER "2" at 135.945,150.121 h0.5 r90
C_VCA3: PIN_NUMBER "1" at 173.295,149.207 h0.5 r90; PIN_NUMBER "2" at 173.295,150.121 h0.5 r90
C_VCA4: PIN_NUMBER "1" at 201.295,149.207 h0.5 r90; PIN_NUMBER "2" at 201.295,150.121 h0.5 r90
C_VCA5: PIN_NUMBER "1" at 121.945,149.207 h0.5 r90; PIN_NUMBER "2" at 121.945,150.121 h0.5 r90
C_VCA6: PIN_NUMBER "1" at 149.945,149.207 h0.5 r90; PIN_NUMBER "2" at 149.945,150.121 h0.5 r90
C_VCA7: PIN_NUMBER "1" at 187.295,149.207 h0.5 r90; PIN_NUMBER "2" at 187.295,150.121 h0.5 r90
C_VCA8: PIN_NUMBER "1" at 215.295,149.207 h0.5 r90; PIN_NUMBER "2" at 215.295,150.121 h0.5 r90
C_VCA9: PIN_NUMBER "1" at 178.379,132.92 h0.5; PIN_NUMBER "2" at 179.293,132.92 h0.5
C_VDQ1: PIN_NUMBER "1" at 121.945,142.893 h0.5 r270; PIN_NUMBER "2" at 121.945,141.979 h0.5 r270
C_VDQ2: PIN_NUMBER "1" at 163.945,142.893 h0.5 r270; PIN_NUMBER "2" at 163.945,141.979 h0.5 r270
C_VDQ3: PIN_NUMBER "1" at 187.295,142.893 h0.5 r270; PIN_NUMBER "2" at 187.295,141.979 h0.5 r270
C_VDQ4: PIN_NUMBER "1" at 215.295,142.893 h0.5 r270; PIN_NUMBER "2" at 215.295,141.979 h0.5 r270
C_VDQ5: PIN_NUMBER "1" at 135.945,142.893 h0.5 r270; PIN_NUMBER "2" at 135.945,141.979 h0.5 r270
C_VDQ6: PIN_NUMBER "1" at 149.945,142.893 h0.5 r270; PIN_NUMBER "2" at 149.945,141.979 h0.5 r270
C_VDQ7: PIN_NUMBER "1" at 201.295,142.893 h0.5 r270; PIN_NUMBER "2" at 201.295,141.979 h0.5 r270
C_VDQ8: PIN_NUMBER "1" at 229.203,136.877 h0.5; PIN_NUMBER "2" at 230.117,136.877 h0.5
C_VDQ9: PIN_NUMBER "1" at 107.216,132.823 h0.5 r90; PIN_NUMBER "2" at 107.216,133.737 h0.5 r90
C_VT1: PIN_NUMBER "1" at 231.832,157.165 h0.5; PIN_NUMBER "2" at 232.746,157.165 h0.5
C_VT2: PIN_NUMBER "1" at 231.832,156.055 h0.5; PIN_NUMBER "2" at 232.746,156.055 h0.5
C_VT3: PIN_NUMBER "1" at 231.832,154.645 h0.5; PIN_NUMBER "2" at 232.746,154.645 h0.5
C_VT4: PIN_NUMBER "1" at 231.832,153.535 h0.5; PIN_NUMBER "2" at 232.746,153.535 h0.5
C_VT5: PIN_NUMBER "1" at 231.832,152.075 h0.5; PIN_NUMBER "2" at 232.746,152.075 h0.5
C_VT6: PIN_NUMBER "1" at 231.832,150.965 h0.5; PIN_NUMBER "2" at 232.746,150.965 h0.5
C_VT7: PIN_NUMBER "1" at 231.832,149.555 h0.5; PIN_NUMBER "2" at 232.746,149.555 h0.5
C_VT8: PIN_NUMBER "1" at 231.832,148.445 h0.5; PIN_NUMBER "2" at 232.746,148.445 h0.5
C_VT9: PIN_NUMBER "1" at 231.832,146.98 h0.5; PIN_NUMBER "2" at 232.746,146.98 h0.5
C_VT10: PIN_NUMBER "1" at 231.832,145.88 h0.5; PIN_NUMBER "2" at 232.746,145.88 h0.5
C_VT11: PIN_NUMBER "1" at 231.832,144.609 h0.5; PIN_NUMBER "2" at 232.746,144.609 h0.5
C_VT12: PIN_NUMBER "1" at 231.832,143.509 h0.5; PIN_NUMBER "2" at 232.746,143.509 h0.5
C_VT13: PIN_NUMBER "1" at 231.832,142.399 h0.5; PIN_NUMBER "2" at 232.746,142.399 h0.5
C_VT14: PIN_NUMBER "1" at 231.832,141.259 h0.5; PIN_NUMBER "2" at 232.746,141.259 h0.5
C_VT15: PIN_NUMBER "1" at 231.832,140.159 h0.5; PIN_NUMBER "2" at 232.746,140.159 h0.5
C_VT16: PIN_NUMBER "1" at 231.154,138.464 h0.5; PIN_NUMBER "2" at 232.068,138.464 h0.5
C_VT18: PIN_NUMBER "1" at 231.406,132.923 h0.5 r90; PIN_NUMBER "2" at 231.406,133.837 h0.5 r90
CB1: PIN_NUMBER "2" at 108.453,132.785 h0.53; PIN_NUMBER "1" at 108.453,134.08 h0.53
CB2: PIN_NUMBER "2" at 147.668,133.53 h0.53 r90; PIN_NUMBER "1" at 146.373,133.53 h0.53 r90
CB3: PIN_NUMBER "2" at 161.578,133.53 h0.53 r90; PIN_NUMBER "1" at 160.283,133.53 h0.53 r90
CB4: PIN_NUMBER "2" at 228.508,133.53 h0.53 r90; PIN_NUMBER "1" at 227.213,133.53 h0.53 r90
CB5: PIN_NUMBER "2" at 189.338,133.53 h0.53 r90; PIN_NUMBER "1" at 188.043,133.53 h0.53 r90